# KiCad board k30-SBC.kicad_pcb (continued)
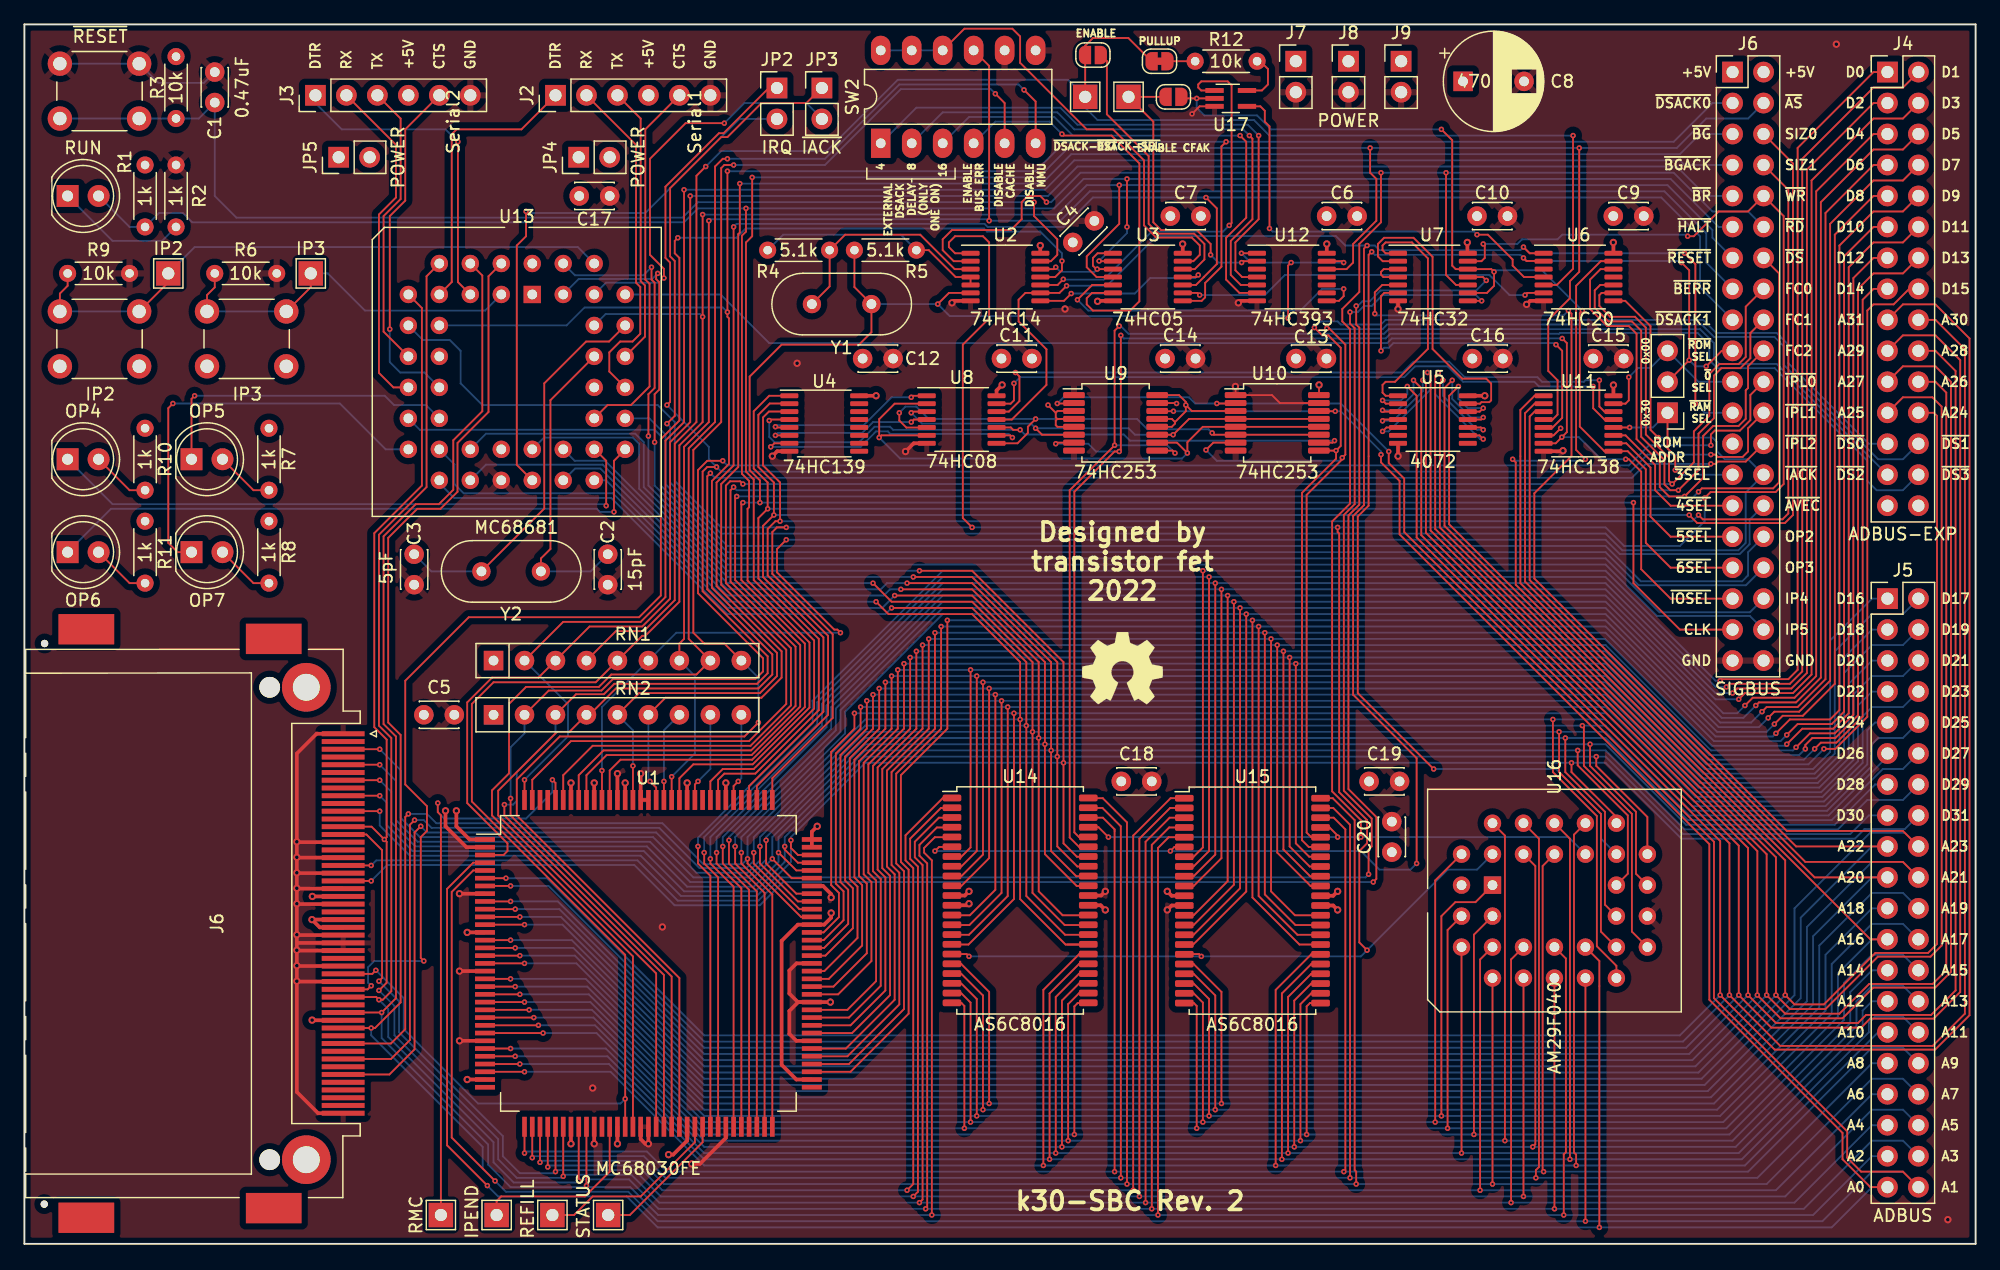
[diagram p0: board, top side]
## Routing (per net, layer and track width the routed paths; a pad name or vN(x,y) marks a point on that pad's centre or on a via; arc(x,y) is an arc through that point) (continued)
D20: length 139.3
  Top w0.15: 76.06,26.94 77.53,26.94 79.62,29.03 v2(79.62,45.04) ; U1.84 65.69,23.64 67.93,25.88 67.93,29.16 67.3,29.8 67.3,39.96 69.58,42.24 v2(69.58,45.04)
  Bottom w0.15: J5.5 151.5,47.83 149.59,45.92 149.59,39.83 147.18,37.42 137.28,37.42 129.66,45.04 v2(69.58,45.04)
D21: length 141.1
  Top w0.15: 76.06,26.14 77.49,26.14 80.13,28.78 v2(80.13,44.53) ; v2(69.08,44.53) 69.08,42.24 66.92,40.08 66.92,29.67 67.55,29.03 67.55,26.24 65.58,24.27 U1.85
  Bottom w0.15: J5.6 154.04,46.56 151.5,46.56 149.98,45.04 149.98,39.68 147.33,37.03 137.15,37.03 129.66,44.53 v2(69.08,44.53)
D22: length 136.8
  Top w0.15: 76.06,25.34 77.45,25.34 80.63,28.53 v2(80.63,44.02) ; v2(68.57,44.02) 68.57,42.24 66.54,40.21 66.54,29.54 67.17,28.91 67.17,26.54 65.54,24.91 U1.86
  Bottom w0.15: v2(68.57,44.02) 129.66,44.02 137.02,36.65 147.44,36.65 150.36,39.58 150.36,44.15 151.5,45.29 J5.7
D23: length 138.6
  Top w0.15: 76.06,24.55 77.42,24.55 81.14,28.27 v2(81.14,43.51) ; v2(68.06,43.51) 68.06,42.24 66.16,40.34 66.16,29.42 66.79,28.78 66.79,26.79 65.54,25.54 U1.87
  Bottom w0.15: v2(68.06,43.51) 129.66,43.51 136.9,36.27 147.56,36.27 150.74,39.45 150.74,43.26 151.5,44.02 154.04,44.02 J5.8
D24: length 259.9
  Top w0.15: U16.13 130.54,22.8 128.94,24.4 128.94,35.08 125.34,38.69 v2(125.34,43) ; 85.5,24.55 87.24,24.55 85.38,24.55 81.65,28.27 v2(81.65,43) 81.65,47.7 77.71,51.64 70.86,51.64 v2(69.84,52.66) ; J1.21 30.06,16.43 31.23,17.6 31.23,35 v2(31.48,35.26) ; v2(59.3,31.57) 59.3,31.19 63.68,26.81 U1.89
  Bottom w0.15: v2(31.48,35.26) 33.01,35.26 33.77,34.5 52.31,34.5 55.68,31.12 58.85,31.12 v2(59.3,31.57) 59.3,33.35 68.95,43 129.66,43 136.77,35.89 147.69,35.89 151.12,39.32 151.12,42.11 151.75,42.75 J5.9 ; v2(69.84,52.66) 57.65,52.66 47.69,62.61 U13.28
D25: length 270.2
  Top w0.15: 87.24,25.34 85.34,25.34 82.16,28.53 v2(82.16,42.5) 82.16,47.7 77.71,52.15 v2(71.11,52.15) ; v2(31.99,34.75) 31.61,34.37 31.61,16.72 30.06,15.16 J1.22 ; U16.14 131.81,25.61 131.81,35.26 127.88,39.19 127.88,42.37 v2(127.75,42.5) ; v2(59.81,32.08) 59.81,31.19 63.55,27.44 U1.90
  Bottom w0.15: v2(31.99,34.75) 32.75,34.75 33.39,34.11 52.06,34.11 55.36,30.81 59.2,30.81 59.81,31.42 v2(59.81,32.08) 59.81,33.35 68.95,42.5 v2(127.75,42.5) 129.66,42.5 136.64,35.51 147.82,35.51 151.5,39.19 151.5,40.97 152.01,41.48 154.04,41.48 J5.10 ; v2(71.11,52.15) 70.6,51.64 57.65,51.64 48.12,61.17 35.24,61.17 34.03,62.38 U13.18
D26: length 254.9
  Top w0.15: U16.15 129.28,25.61 129.28,35.26 125.85,38.69 v2(125.85,41.99) ; 87.24,26.14 85.3,26.14 82.67,28.78 v2(82.67,41.99) 82.67,47.7 77.71,52.66 71.11,52.66 v2(69.58,54.18) ; v2(32.5,34.24) 31.99,33.73 31.99,15.95 29.93,13.89 J1.23 ; v2(60.31,32.59) 60.31,31.19 63.43,28.08 U1.91
  Bottom w0.15: v2(32.5,34.24) 33.01,33.73 51.81,33.73 55.11,30.43 59.3,30.43 60.31,31.45 v2(60.31,32.59) 60.31,33.35 68.95,41.99 129.66,41.99 136.51,35.13 147.94,35.13 152.77,39.96 J5.11 ; U13.27 45.12,64.21 47.61,64.21 57.65,54.18 v2(69.58,54.18)
D27: length 251.5
  Top w0.15: U16.17 129.61,27.81 129.61,35.43 126.35,38.69 v2(126.35,41.48) ; 87.24,26.94 85.14,26.94 83.17,28.91 v2(83.17,41.48) 83.17,47.7 77.71,53.16 v2(71.36,53.16) ; J1.2 v2(29.14,40.56) ; U1.92 63.3,28.72 60.82,31.19 v2(60.82,33.1)
  Bottom w0.15: v2(71.36,53.16) 70.35,52.15 57.65,52.15 48.25,61.55 36.03,61.55 35.26,62.31 35.26,63.91 U13.19 ; J5.12 154.04,38.94 152.39,38.94 148.2,34.75 136.39,34.75 129.66,41.48 68.95,41.48 60.82,33.35 v2(60.82,33.1) 60.82,31.51 59.36,30.05 54.85,30.05 51.55,33.35 32.44,33.35 30.85,34.94 30.85,38.85 v2(29.14,40.56)
D28: length 227
  Top w0.15: U16.18 132.15,30.35 132.15,35.43 128.39,39.19 v2(128.39,40.97) ; 87.24,29.34 86.29,29.34 83.68,31.95 v2(83.68,40.97) 83.68,47.7 77.71,53.67 v2(71.87,53.67) ; J1.3 v2(29.14,39.29) ; v2(61.33,31.57) 62.92,29.98 U1.94
  Bottom w0.15: J5.13 151.75,37.67 148.45,34.37 136.26,34.37 129.66,40.97 68.95,40.97 61.33,33.35 v2(61.33,31.57) 59.42,29.67 54.6,29.67 51.3,32.97 32.25,32.97 30.47,34.75 30.47,37.96 29.15,39.27 ; U13.26 45.15,63.58 47.23,63.58 57.65,53.16 70.47,53.16 70.98,53.67 v2(71.87,53.67)
D29: length 235.4
  Top w0.15: U16.19 131.48,30.35 131.48,35.13 127.37,39.24 v2(127.37,40.46) ; 87.24,30.14 86.25,30.14 84.19,32.21 v2(84.19,40.46) 84.19,47.7 77.71,54.18 v2(72.38,54.18) ; J1.4 v2(29.14,38.02) ; v2(61.84,32.08) 63.3,30.62 U1.95
  Bottom w0.15: J5.14 154.04,36.4 151.12,36.4 148.71,33.99 136.13,33.99 129.66,40.46 68.95,40.46 61.84,33.35 v2(61.84,32.08) 61.84,31.32 59.81,29.29 54.34,29.29 51.04,32.59 32.06,32.59 30.09,34.56 30.09,37.07 29.15,38 ; U13.20 37.85,63.9 47.42,63.9 57.65,53.67 70.22,53.67 70.73,54.18 v2(72.38,54.18)
D30: length 224.2
  Top w0.15: U16.20 133.09,35 128.89,39.19 v2(128.89,39.96) ; 87.24,30.94 86.34,30.94 84.7,32.59 v2(84.7,39.96) 84.7,47.7 77.71,54.69 v2(72.89,54.69) ; J1.5 v2(29.14,36.75) ; v2(62.35,32.59) 62.35,32.34 63.43,31.25 U1.96
  Bottom w0.15: U13.25 42.61,66.12 49.9,66.12 50.41,65.61 50.41,61.93 57.65,54.69 v2(72.89,54.69) ; J5.15 151.25,35.13 149.72,33.61 136.01,33.61 129.66,39.96 68.95,39.96 62.35,33.35 v2(62.35,32.59) 62.35,31.32 59.93,28.91 54.09,28.91 50.79,32.21 31.83,32.21 29.69,34.35 29.69,36.19 29.15,36.73
D31: length 227.3
  Top w0.15: U16.21 130.54,35 126.86,38.69 v2(126.86,39.45) ; 87.24,31.75 86.31,31.75 85.21,32.84 v2(85.21,39.45) 85.21,47.7 77.71,55.2 v2(73.39,55.2) ; J1.6 v2(29.14,35.48) ; v2(62.85,33.1) 62.85,32.46 63.43,31.89 U1.97
  Bottom w0.15: v2(29.14,35.48) 29.14,34.3 31.61,31.83 50.53,31.83 53.84,28.53 60.06,28.53 62.85,31.32 v2(62.85,33.1) 62.85,33.35 68.95,39.45 129.66,39.45 135.88,33.22 150.1,33.22 150.89,34.01 154.19,34.01 J5.16 ; U13.21 37.85,66.44 50.09,66.44 50.79,65.74 50.79,62.05 57.65,55.2 v2(73.39,55.2)
FC0: length 161.6
  Top w0.15: U1.127 44.19,38.43 46.6,40.84 59.55,40.84 62.85,44.15 62.85,48.85 57.52,54.18 57.52,62.18 57.87,62.53 58.69,62.53 v2(58.92,62.31) ; 130.3,77.98 129.33,77.98 129.15,77.8 129.15,76.91 130.04,76.02 132.07,76.02 132.96,75.13 132.96,66.37 134.86,64.47 134.86,62.56 v2(135.12,62.31) 136.9,64.09 136.9,66.63 138.16,67.9 138.16,71.33 138.99,72.15 140.57,72.15 141.15,72.73 141.15,76.85 J6.16
  Bottom w0.15: v2(58.92,62.31) v2(135.12,62.31)
FC1: length 160.2
  Top w0.15: U1.125 45.45,38.43 47.49,40.46 59.59,40.46 63.23,44.11 63.23,48.97 57.9,54.31 57.9,61.8 v2(58.16,62.05) ; 130.3,78.63 129.22,78.63 128.77,78.18 128.77,76.76 129.89,75.64 131.81,75.64 132.58,74.88 132.58,66.18 134.48,64.28 134.48,62.28 134.96,61.8 v2(135.62,61.8) 137.28,63.45 137.28,66.44 138.55,67.71 138.55,71.2 139.16,71.81 140.71,71.81 141.53,72.63 141.53,74.69 J6.18
  Bottom w0.15: v2(58.16,62.05) 58.41,61.8 v2(135.62,61.8)
FC2: length 160
  Top w0.15: 130.3,79.93 129.25,79.93 128.39,79.07 128.39,76.66 129.78,75.26 131.56,75.26 132.2,74.63 132.2,65.99 134.1,64.09 134.1,62.05 134.86,61.29 v2(136.13,61.29) 137.66,62.82 137.66,66.25 138.48,67.07 140.56,67.07 141.15,67.66 141.15,69.99 141.34,70.18 141.34,71.96 J6.20 ; v2(58.41,61.29) 58.28,61.17 58.28,54.43 63.62,49.1 63.62,44.06 59.64,40.08 47.74,40.08 46.09,38.43 U1.124
  Bottom w0.15: v2(58.41,61.29) v2(136.13,61.29)
IP4: length 121.9
  Top w0.15: v2(51.68,65.74) 51.68,69.67 52.06,70.06 52.06,78.86 51.81,79.12 51.81,79.45 v2(51.93,79.58)
  Bottom w0.15: J6.36 141.49,51.79 134.08,51.79 129.66,56.21 57.65,56.21 51.68,62.18 v2(51.68,65.74) ; U13.43 45.46,79.12 51.47,79.12 v2(51.93,79.58)
IP5: length 122.5
  Top w0.15: v2(51.42,80.09) 51.42,79.07 51.68,78.82 51.68,70.18 51.17,69.67 v2(51.17,66.25)
  Bottom w0.15: v2(51.17,66.25) 51.17,62.18 57.65,55.7 129.66,55.7 133.87,51.49 141.49,51.49 J6.38 ; v2(51.42,80.09) 50.76,79.43 45.15,79.43 U13.42
OP2: length 103.9
  Bottom w0.15: U13.31 51.25,67.69 52.57,66.37 52.57,62.31 57.65,57.23 129.66,57.23 132.55,54.33 140.86,54.33 141.34,54.81 141.34,56.72 J6.32
OP3: length 119.8
  Bottom w0.15: U13.15 32.42,66.76 51.68,66.76 52.19,66.25 52.19,62.18 57.65,56.72 129.66,56.72 132.37,54.01 141.17,54.01 J6.34
SIZ0: length 156.3
  Top w0.15: 62.71,68.91 61.12,68.91 60.19,67.98 60.19,63.7 61.46,62.44 v2(61.46,59.77) 60.57,58.88 60.57,54.69 65.52,49.73 65.52,43.64 59.42,37.54 U1.103 ; v2(136.51,59.77) 137.17,59.11 144.36,59.11 145.02,59.77 145.02,88.6 J6.6
  Bottom w0.15: v2(61.46,59.77) v2(136.51,59.77)
SIZ1: length 152.1
  Top w0.15: U4.3 62.72,68.25 61.05,68.25 60.57,67.77 60.57,63.83 61.97,62.44 v2(61.97,59.26) 61.58,59.26 60.95,58.62 60.95,54.81 65.9,49.86 65.9,43.39 60.06,37.54 U1.102 ; J6.8 144.64,86.44 144.64,59.89 144.16,59.41 137.63,59.41 v2(137.28,59.77)
  Bottom w0.15: v2(137.28,59.77) 136.77,59.26 v2(61.97,59.26)
~{0SEL}: length 13.7
  Top w0.15: 130.3,68.9 131.29,68.9 131.56,69.17 v2(131.56,71.07)
  Bottom w0.15: J6.21 137.28,70.69 JP1.3 133.34,71.83 132.32,71.83 v2(131.56,71.07)
~{3SEL}: length 14.8
  Top w0.15: v2(135.37,63.45) 135.37,64.59 134.74,65.23 JP1.1 ; 130.3,66.95 v2(131.63,66.95)
  Bottom w0.15: v2(131.63,66.95) 133.53,66.95 JP1.1 ; v2(135.37,63.45) 135.75,63.07 J6.27
~{4SEL}: length 13.4
  Top w0.15: J6.29 134.99,60.53 133.72,61.8 133.72,63.88 131.3,66.3 130.3,66.3
~{5SEL}: length 15.3
  Top w0.15: J6.31 134.99,57.99 133.34,59.64 133.34,63.66 131.36,65.65 130.3,65.65
~{6SEL}: length 82.2
  Top w0.15: U17.2 95,93.93 94.87,94.06 ; 118.33,77.98 119.93,77.98 120.51,78.56 v2(120.51,79.71) 120.29,79.93 U7.12 117.37,79.93 117.08,80.22 117.08,90.5 v2(116.19,91.39) ; J6.33 134.99,55.45 132.96,57.48 132.96,63.51 131.48,65 129.56,65 127.54,67.02 127.54,76.32 v2(127.75,76.53)
  Bottom w0.15: v2(96.13,93.93) 96.13,93.17 96.76,92.53 101.08,92.53 102.22,91.39 v2(116.19,91.39) ; v2(120.51,79.71) 120.64,79.83 124.45,79.83 v2(127.75,76.53)
~{AS}: length 181.4
  Top w0.15: v2(110.35,89.87) 110.35,87.84 110.86,87.33 110.86,83.9 108.96,81.99 108.96,80.47 108.42,79.93 U12.12 ; 124.58,67.6 125.31,67.6 125.72,68 125.72,70.82 124.96,71.58 124.96,75.77 126.74,77.55 126.74,78.94 127.5,79.71 v2(127.5,89.87) ; v2(59.68,87.45) 59.68,82.63 59.17,82.12 59.17,63.32 59.81,62.69 59.81,54.43 64.76,49.48 64.76,43.89 59.81,38.94 57.27,38.94 56.25,37.92 U1.108
  Bottom w0.15: J6.4 141.34,92.28 137.91,92.28 135.5,89.87 v2(110.35,89.87) 85.59,89.87 83.17,87.45 v2(59.68,87.45)
~{ATA-DSACK}: length 35.9
  Top w0.15: v2(119.12,82.75) 120,82.75 122.04,80.72 122.04,80.22 122.97,79.28 U6.4 ; U17.4 101.35,93.28 101.72,92.91 101.72,92.03 102.1,91.65 v2(102.1,83.26)
  Bottom w0.15: v2(102.1,83.26) 102.35,83.01 118.86,83.01 v2(119.12,82.75)
~{AVEC}: length 123.4
  Top w0.15: U1.122 v2(47.36,38.81) ; v2(62.47,57.74) 61.71,56.97 61.71,55.07 66.41,50.37 66.66,50.37 v2(66.92,50.12)
  Bottom w0.15: v2(47.36,38.81) 47.36,44.02 RN1.6 53.46,50.12 v2(66.92,50.12) ; v2(62.47,57.74) 129.66,57.74 130.82,56.57 140.66,56.57 141.47,57.37 141.47,59.39 J6.30
~{BERR}: length 154.1
  Top w0.15: SW2.9 79.11,96.6 v2(79.11,83.9) ; U1.113 v2(53.08,38.31) ; v2(56.12,83.9) 56.12,67.39 54.09,65.36 54.09,49.61 53.71,49.23 RN1.7
  Bottom w0.15: v2(56.12,83.9) 56.25,84.03 78.98,84.03 v2(79.11,83.9) 84.95,83.9 87.36,86.31 134.48,86.31 137.91,82.88 137.91,80.47 J6.15 ; RN1.7 54.98,46.56 54.98,40.21 v2(53.08,38.31)
~{BGACK}: length 149.3
  Top w0.15: v2(54.09,86.44) 54.09,67.39 52.57,65.86 52.57,53.04 50.53,51 44.19,51 RN1.2 ; U1.132 v2(41.01,38.05)
  Bottom w0.15: v2(54.09,86.44) 83.68,86.44 86.09,88.85 135.75,88.85 136.13,88.47 J6.7 ; v2(41.01,38.05) 44.58,41.62 44.58,44.26 RN1.2
~{BG}: length 153.7
  Top w0.15: v2(58.66,86.95) 58.66,82.93 58.54,82.8 58.54,63.7 57.14,62.31 57.14,54.05 62.47,48.72 62.47,44.27 59.42,41.23 44.82,41.23 41.64,38.05 U1.131
  Bottom w0.15: v2(58.66,86.95) 83.43,86.95 85.84,89.36 135.75,89.36 137.4,91.01 J6.5
~{BR}: length 156.9
  Top w0.15: U1.3 39.29,31.89 39.61,32.21 39.61,32.84 36.31,36.15 36.31,44.4 38.34,46.43 42.15,46.43 RN1.3 46.34,50.62 50.66,50.62 52.95,52.91 52.95,65.74 54.6,67.39 v2(54.6,85.93)
  Bottom w0.15: J6.9 137.91,85.93 135.5,88.34 86.35,88.34 83.94,85.93 v2(54.6,85.93)
~{CDIS}: length 135
  Top w0.15: v2(79.62,94.31) 80.38,93.55 SW2.5 ; v2(58.16,88.47) 57.39,88.47 57.14,88.22 57.14,67.39 54.85,65.1 54.85,50.12 55.74,49.23 57.39,49.23 RN1.9 ; v2(60.19,42.75) 59.04,41.61 43.9,41.61 40.38,38.08 40.38,35.13 53.71,21.8 U1.54
  Bottom w0.15: v2(60.19,42.75) 60.19,46.43 RN1.9 ; v2(79.62,94.31) 79.24,94.69 71.87,94.69 65.65,88.47 v2(58.16,88.47)
~{DS0}: length 100.3
  Top w0.15: U10.9 v2(107.56,65.05) ; v2(107.56,65.05) 107.94,65.43 107.94,73.48 106.92,74.5 106.41,74.5 v2(105.78,75.13) ; v2(107.56,65.05) 107.56,64.38 104.76,61.59 104.76,33.1 105.32,32.55 U15.39
  Bottom w0.15: J4.25 151.25,65.61 144.64,72.21 144.64,73.74 143.69,74.69 138.73,74.69 137.66,75.77 111.62,75.77 111.24,75.39 107.94,75.39 107.69,75.64 106.29,75.64 v2(105.78,75.13)
~{DS1}: length 113.7
  Top w0.15: U15.40 105.53,33.34 105.15,33.72 105.15,61.42 108.07,64.34 v2(108.07,64.47) 108.32,64.72 108.32,73.74 106.98,75.08 v2(106.8,75.08) ; v2(96.89,65.1) 97.49,65.7 U10.7
  Bottom w0.15: v2(106.8,75.08) 106.86,75.01 111.37,75.01 111.75,75.39 137.53,75.39 138.55,74.37 143.5,74.37 144.26,73.61 144.26,72.09 152.01,64.34 154.04,64.34 J4.26 ; v2(108.07,64.47) 107.81,64.21 97.78,64.21 v2(96.89,65.1)
~{DS2}: length 121.3
  Top w0.15: v2(89.78,75.26) 89.4,74.88 v2(89.4,65.48) 85.71,61.8 85.71,33.32 86.47,32.56 87.24,32.56 ; v2(94.35,64.85) 94.15,65.05 U9.9
  Bottom w0.15: v2(94.35,64.85) 93.72,65.48 v2(89.4,65.48) ; v2(89.78,75.26) 89.91,75.26 90.54,74.63 111.5,74.63 111.88,75.01 137.4,75.01 138.55,73.86 138.55,72.59 138.99,72.15 143.69,72.15 J4.27
~{DS3}: length 124.1
  Top w0.15: v2(84.57,65.61) 84.66,65.7 U9.7 ; v2(89.91,74.5) 89.91,65.1 v2(89.78,64.97) 89.4,64.97 86.09,61.67 86.09,33.74 86.47,33.36 87.24,33.36
  Bottom w0.15: v2(89.91,74.5) 90.16,74.25 111.62,74.25 112,74.63 125.84,74.63 125.91,74.7 137.21,74.7 138.16,73.74 138.16,72.47 138.83,71.81 143.52,71.81 151.12,64.21 151.12,62.56 151.88,61.8 154.04,61.8 J4.28 ; v2(89.78,64.97) 87.87,64.97 87.24,65.61 v2(84.57,65.61)
~{DSACK0}: length 190.7
  Top w0.15: 94.99,77.33 96.54,77.33 96.82,77.62 96.82,78.8 98.16,80.13 98.16,89.99 v2(98.54,90.38) ; U1.118 v2(49.9,39.19) ; v2(57.65,87.96) v2(57.65,76.41) 57.65,76.02 57.77,75.9 57.77,63.96 56.38,62.56 56.38,53.8 61.71,48.47 61.71,46.56 60.31,45.16 50.41,45.16 RN2.5
  Bottom w0.15: 45.96,76.79 57.27,76.79 v2(57.65,76.41) ; 45.93,76.79 44.46,75.31 U13.10 ; v2(49.9,39.19) 49.9,42.11 RN2.5 ; v2(57.65,87.96) 82.92,87.96 85.33,90.38 135.24,90.38 138.42,93.55 J6.3
~{DSACK1}: length 158.2
  Top w0.15: v2(96.89,85.8) 97.78,84.91 97.78,80.35 96.71,79.27 96.71,79.27 96.07,78.63 U3.10 ; v2(58.16,83.39) 58.16,63.83 56.76,62.44 56.76,53.93 62.09,48.59 62.09,46.43 60.44,44.78 52.57,44.78 RN2.6 ; v2(51.3,37.92) 51.81,37.42 U1.115
  Bottom w0.15: J6.17 137.4,78.44 137.4,82.63 134.23,85.8 87.62,85.8 85.21,83.39 78.98,83.39 78.73,83.64 58.41,83.64 v2(58.16,83.39) ; v2(51.3,37.92) 51.17,38.05 RN2.6
~{DSACK-EXT}: length 147
  Top w0.15: RN1.4 48.5,50.24 50.79,50.24 53.33,52.78 53.33,65.61 55.11,67.39 55.11,87.58 v2(55.87,88.34) ; v2(126.99,90.88) 126.99,79.96 125.66,78.63 U6.5 ; TP4.1 86.98,98.25 87.62,98.88 90.53,98.88 JP7.1
  Bottom w0.15: v2(55.87,88.34) 57.14,89.61 65.78,89.61 71.62,95.45 85.59,95.45 TP4.1 86.98,93.17 88,92.15 100.83,92.15 102.1,90.88 v2(126.99,90.88)
~{DS}: length 145.8
  Top w0.15: U4.1 61.08,69.55 59.81,68.28 59.81,63.58 60.95,62.44 v2(60.95,60.28) 60.19,59.51 60.19,54.56 65.14,49.61 65.14,43.77 59.93,38.56 57.39,38.56 56.89,38.05 U1.107 ; J6.14 143.88,79.58 143.88,62.44 143.4,61.95 137.56,61.95 v2(137.28,61.67)
  Bottom w0.15: v2(137.28,61.67) 135.88,60.28 v2(60.95,60.28)
~{HALT}: length 206.1
  Top w0.15: v2(90.41,83.39) v2(90.41,87.33) ; U3.2 88.14,80.58 v2(88.13,80.6) ; U1.112 53.71,38.18 54.85,39.32 59.72,39.32 64.38,43.98 64.38,49.31 59.3,54.39 59.3,60.28 59.42,60.4 59.42,62.56 58.84,63.15 58.84,82.67 59.17,83.01 v2(59.17,84.91)
  Bottom w0.15: J6.11 138.93,83.39 134.99,87.33 86.86,87.33 84.44,84.91 55.23,84.91 54.09,83.77 13.76,83.77 12.99,84.53 11.04,84.53 R1.1 8.62,83.39 D1.2 ; v2(90.41,83.39) 90.41,82.88 v2(88.13,80.6)
~{IACK}: length 161.1
  Top w0.15: JP3.1 65.36,94.78 64.12,93.55 60.44,93.55 57.65,90.76 57.14,90.76 52.95,86.56 52.95,80.98 53.33,80.6 53.33,67.9 v2(52.69,67.26) ; v2(133.97,66.12) 133.34,66.75 133.34,75.26 131.27,77.33 130.3,77.33
  Bottom w0.15: v2(133.97,66.12) 138.42,66.12 138.8,65.74 138.8,64.97 139.44,64.34 141.34,64.34 J6.28 141.15,61.61 141.15,57.47 140.54,56.87 131.03,56.87 129.66,58.24 57.14,58.24 52.95,62.44 52.95,67.01 v2(52.69,67.26)
~{IORD}: length 147
  Top w0.15: J1.34 v2(28.44,31.03) ; 118.33,77.33 v2(119.5,77.33) ; v2(110.22,30.3) 110.22,32.34 110.48,32.59 110.48,34.88 108.19,37.16 108.19,59.77 109.08,60.66 109.08,75.09 108.7,75.47 v2(108.7,76.41)
  Bottom w0.15: v2(108.7,76.41) 109.34,76.41 109.84,76.91 110.48,76.91 111.37,77.8 119.03,77.8 v2(119.5,77.33) ; 30.12,31.45 50.27,31.45 53.57,28.14 60.19,28.14 62.09,30.05 109.97,30.05 v2(110.22,30.3) ; v2(28.44,31.03) 28.85,31.45 30.22,31.45
~{IOSEL}: length 112.9
  Top w0.15: J6.35 134.99,52.91 132.58,55.32 132.58,63.32 131.56,64.34 v2(131.31,64.34) ; v2(126.1,74.25) 126.48,73.86 126.48,66.56 v2(126.07,66.15) 125.57,65.65 U11.7
  Bottom w0.15: v2(126.1,74.25) 112.13,74.25 111.75,73.86 61.08,73.86 57.09,77.85 U13.39 ; v2(131.31,64.34) 129.28,64.34 127.47,66.15 v2(126.07,66.15)
~{IOWR}: length 149.2
  Top w0.15: J1.35 v2(28.44,29.76) ; U7.11 119.6,79.28 v2(119.88,79) ; v2(109.21,76.91) 109.21,75.39 109.46,75.13 109.46,60.62 108.57,59.73 108.57,37.29 110.86,35 110.86,29.92 v2(110.61,29.67)
  Bottom w0.15: v2(119.88,79) 119.06,78.18 111.2,78.18 110.31,77.29 109.72,77.29 109.34,76.91 v2(109.21,76.91) ; v2(110.61,29.67) 62.22,29.67 60.31,27.76 53.32,27.76 50.01,31.07 31.01,31.07 ; 31.1,31.07 29.74,31.07 v2(28.44,29.76)
~{IPL0}: length 171.9
  Top w0.15: v2(138.29,65.48) 138.29,66.37 138.61,66.69 140.67,66.69 141.53,67.55 141.53,69.61 J6.22 ; U1.53 53.08,21.92 39.87,35.13 v2(39.87,36.53) ; RN2.2 43,45.37 47.31,45.37 48.25,46.31 59.93,46.31 60.57,46.94 60.57,48.02 55.23,53.35 55.23,63.45 56,64.21 v2(57.27,64.21)
  Bottom w0.15: RN2.2 41.01,41.86 39.87,40.72 v2(39.87,36.53) ; v2(138.29,65.48) 133.21,65.48 131.56,63.83 57.65,63.83 v2(57.27,64.21)
~{IPL1}: length 206.9
  Top w0.15: v2(52.69,68.78) 52.95,69.04 52.95,80.47 52.57,80.85 52.57,86.69 56.95,91.07 57.33,91.07 61.04,94.78 JP2.1 ; v2(56.76,63.7) 56,63.7 55.61,63.32 55.61,53.51 60.95,48.18 60.95,46.79 60.08,45.92 48.38,45.92 47.52,45.07 45.24,45.07 RN2.3 ; J6.24 141.34,66.88 141.34,64.97 140.9,64.53 138.86,64.53 138.67,64.72 v2(138.29,64.72) ; v2(39.36,36.02) 39.36,35.13 52.44,22.05 U1.52
  Bottom w0.15: RN2.3 43.55,41.86 40.38,38.69 40.38,36.32 40.07,36.02 v2(39.36,36.02) ; v2(138.29,64.72) 133.09,64.72 131.69,63.32 57.14,63.32 v2(56.76,63.7) 56.12,64.34 56.12,65.36 v2(52.69,68.78)
~{IPL2}: length 165.9
  Top w0.15: U1.51 51.81,22.18 38.85,35.13 38.85,37.16 43.68,41.99 44.69,41.99 RN2.4 46.34,43.39 48.5,45.54 60.19,45.54 61.33,46.69 61.33,48.34 56,53.67 56,62.94 v2(56.25,63.2) ; J6.26 141.15,64.15 138.86,64.15 138.67,63.96 v2(138.29,63.96)
  Bottom w0.15: v2(138.29,63.96) 132.96,63.96 131.81,62.82 56.63,62.82 v2(56.25,63.2)
~{MMUDIS}: length 133.3
  Top w0.15: v2(81.97,94.63) 82.92,93.68 SW2.6 ; U1.48 49.9,23.57 38.34,35.13 38.34,37.18 39.74,38.58 39.74,44.27 41.14,45.67 47.11,45.67 48.12,46.69 55.11,46.69 RN1.8 54.47,49.61 54.47,65.23 56.63,67.39 56.63,88.34 57.27,88.98 v2(57.65,88.98)
  Bottom w0.15: v2(81.97,94.63) 81.52,95.07 71.74,95.07 65.65,88.98 v2(57.65,88.98)
~{RAMSEL}: length 185.1
  Top w0.15: v2(122.93,81.74) 123.43,81.23 U6.1 ; v2(93.97,32.21) 94.31,32.55 U15.6 ; v2(74.67,32.21) 75,32.55 76.06,32.55 ; v2(85.46,78.56) 84.88,77.98 U2.9 82.08,77.98 81.52,77.42 81.52,75.64 83.81,73.36 83.81,70.44 80.97,67.6 U8.11 ; v2(136.13,81.23) 137.02,80.34 v2(137.02,68.91) ; v2(110.1,81.87) 109.84,81.61 109.84,60.57 108.96,59.68 108.96,45.04 114.16,39.83 v2(114.16,31.19)
  Bottom w0.15: v2(114.16,31.19) 113.65,30.69 111.11,30.69 109.59,32.21 v2(93.97,32.21) v2(74.67,32.21) ; v2(137.02,68.91) 137.78,68.15 J6.23 ; v2(85.46,78.56) 88.76,78.56 92.84,82.65 107.54,82.65 108.32,81.87 110.73,81.87 111.11,81.48 122.67,81.48 v2(122.93,81.74) 123.43,81.23 v2(136.13,81.23)
~{RD}: length 187.8
  Top w0.15: U15.41 107.02,34.14 107.69,33.48 v2(107.69,33.35) ; 118.33,78.63 117.4,78.63 116.57,79.45 v2(116.57,87.84) ; v2(88.89,33.35) 88.08,34.16 87.24,34.16 ; v2(109.59,33.35) 109.59,34.75 107.24,37.1 107.24,59.24 108.7,60.7 108.7,75.01 108.07,75.64 108.07,76.66 109.46,78.06 109.46,81.99 111.24,83.77 v2(111.24,87.84) ; v2(83.81,85.42) 83.3,85.93 82.28,85.93 81.78,85.42 81.78,84.03 80.89,83.14 76.06,83.14 75.3,82.37 75.3,81.48 76.2,80.58 U2.2
  Bottom w0.15: J6.12 141.34,84.66 138.42,84.66 135.24,87.84 86.6,87.84 84.19,85.42 v2(83.81,85.42) ; v2(88.89,33.35) v2(107.69,33.35) 126.61,33.35 U16.24
~{RESET}: length 230.3
  Top w0.15: v2(89.78,86.82) 89.78,83.64 87.11,80.98 87.11,80.09 87.92,79.28 U3.4 ; J1.41 28.53,22.14 v2(28.82,22.43) ; v2(55.61,84.41) v2(55.61,76.02) 55.61,67.39 53.71,65.48 53.71,52.66 50.92,49.86 50.66,49.86 RN1.5 46.85,46.05 38.47,46.05 36.69,44.27 36.69,36.27 49.27,23.7 U1.47
  Bottom w0.15: v2(28.82,22.43) 28.82,22.43 31.1,20.15 31.1,17.6 37.2,11.51 48.88,11.51 v2(49.27,11.89) ; U13.38 47.66,76.25 55.39,76.25 v2(55.61,76.02) ; J6.13 138.42,82.5 138.42,83.14 134.74,86.82 87.11,86.82 84.7,84.41 v2(55.61,84.41)
~{ROMSEL}: length 107.1
  Top w0.15: v2(122.93,80.85) 123.18,80.6 124.56,80.6 U6.2 ; v2(110.48,81.36) 110.22,81.1 110.22,64.6 ; v2(135.88,80.47) 136.51,79.83 v2(136.51,72.47) JP1.2 ; 110.22,64.59 110.22,60.53 109.34,59.64 109.34,45.16 v2(115.56,38.94) ; v2(137.91,71.96) 139.18,73.23 J6.19
  Bottom w0.15: U16.22 129.28,33.22 129.28,35.26 125.59,38.94 v2(115.56,38.94) ; v2(135.88,80.47) 135.75,80.6 123.18,80.6 v2(122.93,80.85) 122.67,81.1 110.73,81.1 v2(110.48,81.36) ; v2(137.91,71.96) 137.02,71.96 v2(136.51,72.47)
~{SIACK}: length 33.1
  Top w0.15: v2(52.44,79.2) 52.44,79.96 51.3,81.1 51.3,88.98 54.22,91.9 v2(57.39,91.9)
  Bottom w0.15: U13.41 47.69,78.82 52.06,78.82 v2(52.44,79.2) ; v2(57.39,91.9) 59.04,93.55 64.12,93.55 65.39,92.28 JP3.2
~{SIRQ}: length 46.7
  Top w0.15: U13.24 40.38,63.88 40.38,81.87 41.14,82.63 v2(41.14,84.66)
  Bottom w0.15: v2(41.14,84.66) 41.26,84.53 50.92,84.53 58.63,92.24 JP2.2
~{WR}: length 323.2
  Top w0.15: v2(77.46,23.57) 77.27,23.76 76.06,23.76 ; v2(96.51,23.57) 96.32,23.76 95.11,23.76 ; v2(62.47,58.75) 61.71,58.75 61.33,58.37 61.33,54.94 66.28,49.99 66.28,43.13 61.33,38.18 U1.100 ; U2.1 76.32,81.23 75.81,81.74 75.81,82.12 76.32,82.63 78.6,82.63 79.11,82.12 79.11,75.9 76.95,73.74 76.95,59.51 v2(77.71,58.75) ; v2(136.39,82.63) 136.9,82.63 138.93,84.66 141.34,84.66 J6.10 144.26,84.28 144.26,62.31 143.6,61.65 138.27,61.65 v2(137.78,61.17) ; U7.13 119.48,80.58 119.75,80.85 119.75,81.87 v2(119.62,81.99) ; v2(107.69,58.75) 107.69,58.37 107.81,58.24 107.81,37.03 110.1,34.75 110.1,32.84 109.46,32.21 109.46,24.72 v2(110.1,24.08)
  Bottom w0.15: v2(77.46,23.57) v2(96.51,23.57) 109.59,23.57 116.7,30.69 119.12,30.69 U16.31 ; v2(136.39,82.63) 136.26,82.75 126.1,82.75 125.72,82.37 122.8,82.37 122.42,81.99 v2(119.62,81.99) ; U13.9 32.68,74.12 34.88,74.12 35.77,73.23 35.77,70.56 37.55,68.78 51.93,68.78 53.33,67.39 53.33,62.56 57.14,58.75 v2(62.47,58.75) v2(107.69,58.75) 129.66,58.75 131.18,57.23 135.75,57.23 137.78,59.26 v2(137.78,61.17)
Net-(C1-Pad1): length 96.1
  Top w0.15: v2(82.79,85.42) 82.79,84.28 84.7,82.37 84.7,81.1 84.17,80.58 U2.13
  Bottom w0.15: SW1.2 SW1.2 R3.2 14.3,92.28 C1.1 15.61,85.93 17.39,84.15 53.96,84.15 55.23,85.42 v2(82.79,85.42)
Net-(C2-Pad2): length 25.5
  Top w0.15: U13.36 43.14,69.18 43.14,56.98 42.36,56.2 Y2.2
  Bottom w0.15: C2.2 46.43,55.14 Y2.2
Net-(C3-Pad2): length 32.3
  Top w0.15: Y2.1 42.63,60.3 42.63,70.56 46.06,73.99 47.94,73.99 U13.37
  Bottom w0.15: Y2.1 33.37,55.14 C3.2
Net-(D1-Pad1): length 10.9
  Bottom w0.15: R2.2 11.29,82.25 7.23,82.25 D1.1
Net-(D2-Pad1): length 26.1
  Top w0.15: D2.1 13.7,69.29 v2(13.96,69.55)
  Bottom w0.15: v2(13.96,69.55) 29.55,69.55 30.31,68.78 32.93,68.78 U13.16
Net-(D2-Pad2): length 4.9
  Top w0.15: D2.2 18.78,61.8 R7.1
Net-(D3-Pad1): length 34.7
  Top w0.15: D3.1 12.56,56.72 11.8,57.48 11.8,68.53 v2(12.18,68.91)
  Bottom w0.15: v2(12.18,68.91) 25.86,68.91 29.62,65.15 U13.17
Net-(D3-Pad2): length 4.9
  Top w0.15: D3.2 18.78,54.18 R8.1
Net-(D4-Pad1): length 50.8
  Top w0.15: v2(47.71,60.53) 47.71,64.21 46.77,65.15 U13.30
  Bottom w0.15: D4.1 7.23,60.66 47.58,60.66 v2(47.71,60.53)
Net-(D4-Pad2): length 4.9
  Top w0.15: D4.2 8.62,61.8 R10.1
Net-(D5-Pad1): length 51.9
  Top w0.15: v2(48.34,60.02) 48.34,64.21 49.27,65.13 U13.29
  Bottom w0.15: v2(48.34,60.02) 47.2,60.02 46.95,60.28 7.1,60.28 D5.1
Net-(D5-Pad2): length 4.9
  Top w0.15: D5.2 8.62,54.18 R11.1
Net-(J2-Pad1): length 23.4
  Top w0.15: 35.42,91.39 40.76,91.39 J2.1 ; U13.8 35.04,78.87 35.04,90.99 35.44,91.39
Net-(J2-Pad2): length 28
  Top w0.15: J2.2 50.15,90.12 50.15,78.82 50.5,78.47 50.5,74.63 49.87,73.99 48.85,73.99 47.96,73.1 47.96,71.53 U13.33
Net-(J2-Pad3): length 23
  Top w0.15: U13.35 50.88,74.39 50.88,78.6 50.53,78.94 50.53,92.28 J2.3
Net-(J2-Pad4): length 7.1
  In1.Cu w1: JP4.2 49.27,89.1 51.17,91.01 J2.4
Net-(J2-Pad5): length 30.8
  Top w0.15: U13.32 47.82,68.78 49.74,68.78 51.27,70.31 51.27,78.72 50.92,79.07 50.92,91.39 J2.5
Net-(J3-Pad1): length 26.6
  Top w0.15: U13.5 35.55,78.87 v2(35.55,90.38)
  Bottom w0.15: v2(35.55,90.38) 34.53,91.39 26.02,91.39 23.87,93.55 J3.1
Net-(J3-Pad2): length 27.9
  Top w0.15: U13.13 30.26,70.23 29.07,71.42 29.07,84.41 30.47,85.8 30.47,90.12 J3.2
Net-(J3-Pad3): length 23.6
  Top w0.15: U13.11 29.45,74.8 29.45,84.28 30.85,85.68 30.85,92.28 28.94,94.19
Net-(J3-Pad4): length 7.1
  In1.Cu w1: J3.4 31.48,91.01 29.58,89.1 JP5.2
Net-(J3-Pad5): length 28.5
  Top w0.15: J3.5 31.23,91.39 31.23,85.55 29.96,84.28 v2(29.96,75.01)
  Bottom w0.15: v2(29.96,75.01) 29.96,72.31 30.82,71.45 32.81,71.45 U13.14
Net-(JP6-Pad1): length 24.1
  Top w0.15: U3.12 95.97,79.93 96.76,80.72 96.76,81.99 95.92,82.84 93,82.84 92.19,83.64 92.19,89.2 88.76,92.63 88.76,96.99 JP6.1
Net-(JP7-Pad2): length 2.3
  Top w0.15: JP7.2 R12.2
Net-(R4-Pad1): length 19.3
  Top w0.15: R5.2 74.16,81.48 76.36,79.28 U2.4 U2.5
  Bottom w0.15: R5.2 71.87,82.75 62.22,82.75 R4.1
Net-(R4-Pad2): length 18.3
  Top w0.15: Y1.1 66.03,78.52 R4.2 67.3,82.75 73.46,82.75 76.28,79.93 U2.3
Net-(R6-Pad1): length 31.3
  Top w0.15: R6.1 15.61,78.44 14.98,77.8 SW4.1 ; TP5.1 23.48,78.45 21.49,76.46 SW4.1
  Bottom w0.15: SW4.1 SW4.1 ; TP5.1 24.88,79.58 27.93,76.53 37.78,76.53 U13.3
Net-(R9-Pad1): length 50.4
  Top w0.15: SW3.1 2.91,77.93 3.55,78.56 R9.1 ; TP6.1 11.8,78.85 SW3.1
  Bottom w0.15: SW3.1 SW3.1 ; U13.40 45.38,81.74 13.96,81.74 TP6.1
Net-(RN2-Pad7): length 7.5
  Top w0.15: U1.114 v2(52.44,37.92)
  Bottom w0.15: v2(52.44,37.92) 52.44,42.11 RN2.7
Net-(RN2-Pad8): length 7.5
  Top w0.15: v2(55.23,37.92) 54.98,37.67 U1.110
  Bottom w0.15: RN2.8 56.25,38.94 v2(55.23,37.92)
Net-(RN2-Pad9): length 7.2
  Top w0.15: U1.105 58.16,37.54 v2(58.54,37.92)
  Bottom w0.15: v2(58.54,37.92) 58.79,38.18 RN2.9
Net-(SW2-Pad1): length 47
  Top w0.15: v2(101.21,90.88) 101.21,84.03 99.3,82.12 99.3,79.83 99.86,79.28 U12.4
  Bottom w0.15: SW2.1 73.14,93.17 84.95,93.17 86.35,91.77 100.32,91.77 v2(101.21,90.88)
Net-(SW2-Pad2): length 44.3
  Top w0.15: v2(100.45,90.88) 100.7,90.63 100.7,84.03 98.92,82.25 98.92,79.45 99.74,78.63 U12.5
  Bottom w0.15: v2(100.45,90.88) 99.94,91.39 86.09,91.39 84.7,92.79 75.3,92.79 SW2.2
Net-(SW2-Pad3): length 41.6
  Top w0.15: U12.6 99.63,77.98 98.54,79.07 98.54,82.5 100.19,84.15 100.19,90.38 v2(99.68,90.88)
  Bottom w0.15: SW2.3 77.46,92.41 84.44,92.41 85.97,90.88 v2(99.68,90.88)
Net-(SW2-Pad4): length 34.7
  Top w0.15: U3.6 87.54,77.98 87.11,77.55 87.11,77.04 87.62,76.53 90.67,76.53 91.43,77.29 91.43,88.6 89.14,90.88 85.21,90.88 v2(85.08,91.01)
  Bottom w0.15: v2(85.08,91.01) 84.06,92.03 79.62,92.03 SW2.4
Net-(SW2-Pad10): length 41
  Top w0.15: SW2.10 77.08,99.65 81.02,99.65 81.65,99.01 81.65,96.85 87.11,91.39 89.27,91.39 91.81,88.85 91.81,83.52 92.81,82.52 95.73,82.52 96.38,81.87 96.38,81.1 95.86,80.58 U3.13
  Bottom w0.15: SW2.12 SW2.11 SW2.10
Net-(TP1-Pad1): length 15.1
  Top w0.15: TP1.1 38.72,3.51 39.1,3.89 45.96,3.89 48,5.92 U1.45
Net-(TP2-Pad1): length 15.4
  Top w0.15: TP2.1 45.07,2.36 46.6,3.89 50.53,3.89 54.98,8.33 U1.56
Net-(TP3-Pad1): length 11.5
  Top w0.15: U1.57 55.61,8.33 49.65,2.36 TP3.1
Net-(TP7-Pad1): length 47.9
  Top w0.15: v2(43.3,38.05) 43.55,37.8 U1.128 ; v2(33.9,36.15) 33.9,35.4 34.15,35.15 TP7.1
  Bottom w0.15: v2(43.3,38.05) 43.3,37.03 41.14,34.88 34.43,34.88 33.9,35.4 v2(33.9,36.15)
Net-(TP8-Pad1): length 24.6
  Top w0.15: U12.2 99.92,80.58 v2(99.81,80.47) ; v2(97.27,81.1) 97.27,81.99 96.13,83.14 93.21,83.14 92.57,83.77 92.57,92.03 TP8.1 JP8.2
  Bottom w0.15: v2(99.81,80.47) 97.91,80.47 v2(97.27,81.1)
Net-(U2-Pad8): length 15.2
  Top w0.15: v2(96.25,79.45) 96.08,79.28 U3.11 ; v2(85.84,77.93) 85.24,77.33 83.31,77.33
  Bottom w0.15: v2(96.25,79.45) 96,79.2 92.32,79.2 91.05,77.93 v2(85.84,77.93)
Net-(U2-Pad12): length 9.2
  Top w0.15: U3.3 v2(87.97,79.93) 87.9,79.93 87.62,80.21 87.62,80.85 88,81.23 U3.1 ; U2.12 84.41,79.93 v2(84.57,80.09)
  Bottom w0.15: v2(84.57,80.09) 84.95,79.71 87.75,79.71 v2(87.97,79.93)
Net-(U3-Pad9): length 31.1
  Top w0.15: U3.9 96.19,77.98 v2(96.37,77.8) ; U6.6 123.23,77.98 v2(123.05,77.8)
  Bottom w0.15: v2(123.05,77.8) 121.78,77.8 120.33,79.26 120.33,79.26 120.13,79.45 103.37,79.45 101.72,77.8 v2(96.37,77.8)
Net-(U4-Pad5): length 14.6
  Top w0.15: U8.1 72.85,69.55 v2(72.72,69.42) ; v2(61.58,67.01) 61.64,66.95 U4.5
  Bottom w0.15: v2(72.72,69.42) 71.11,69.42 68.82,67.13 61.71,67.13 v2(61.58,67.01)
Net-(U4-Pad6): length 14.1
  Top w0.15: U8.4 72.93,67.6 v2(72.72,67.39) ; 62.73,66.3 v2(61.58,66.3)
  Bottom w0.15: v2(61.58,66.3) 61.79,66.5 68.7,66.5 69.58,67.39 v2(72.72,67.39)
Net-(U4-Pad7): length 23.6
  Top w0.15: U8.9 80.84,66.3 v2(81.02,66.12) ; U4.7 61.49,65.65 v2(61.2,65.36)
  Bottom w0.15: v2(61.2,65.36) 68.57,65.36 69.84,66.63 70.8,66.63 71,66.42 80.72,66.42 v2(81.02,66.12)
Net-(U5-Pad1): length 20.5
  Top w0.15: U7.1 111.62,81.23 111.37,81.48 111.37,81.87 111.62,82.12 113.78,82.12 115.09,80.81 115.09,73.39 112.38,70.69 111.62,70.69 111.37,70.44 111.37,69.8 111.62,69.55 U5.1
Net-(U5-Pad13): length 25.1
  Top w0.15: U5.13 119.35,68.9 119.48,69.02 120.12,69.02 ; 120.13,69.02 120.28,69.17 120.28,70.55 119.88,70.94 117.91,70.94 115.47,73.38 115.47,80.94 113.91,82.5 111.5,82.5 110.99,81.99 110.99,80.98 111.38,80.58 U7.2
Net-(U7-Pad3): length 3.2
  Top w0.15: U7.4 111.44,79.28 111.24,79.48 111.24,79.71 111.47,79.93 U7.3
Net-(U10-Pad10): length 53.9
  Top w0.15: v2(107.43,65.86) 107.27,65.7 U10.10 ; 62.73,67.6 61.16,67.6 v2(61.08,67.52) ; 79.72,66.95 80.89,66.95 81.08,66.75 v2(81.65,66.75)
  Bottom w0.15: v2(107.43,65.86) 90.67,65.86 90.16,66.37 82.03,66.37 v2(81.65,66.75) 71.24,66.75 70.98,67.01 69.71,67.01 68.44,65.74 61.51,65.74 61.08,66.17 v2(61.08,67.52)
Net-(U10-Pad11): length 43
  Top w0.15: v2(71.74,68.15) 71.74,67.52 72.32,66.94 73.98,66.94 73.99,66.95 ; v2(97.4,66.5) 97.55,66.35 U10.6 U10.11 ; 79.72,65.65 81.43,65.65 82.28,66.5 82.28,67.01 v2(82.92,67.64)
  Bottom w0.15: v2(97.4,66.5) 97.1,66.8 92.09,66.8 91.24,67.64 v2(82.92,67.64) 74.16,67.64 73.14,68.66 72.25,68.66 v2(71.74,68.15)
Net-(U10-Pad12): length 51.1
  Top w0.15: U8.6 70.27,66.3 v2(70.09,66.12) 70.09,67.63 71.36,68.9 U8.2 ; U10.12 U10.5 96.63,67 95.37,65.74 v2(95.37,64.85) 94.51,65.7 U9.10
  Bottom w0.15: v2(95.37,64.85) 94.92,64.4 71.81,64.4 v2(70.09,66.12)
Net-(U10-Pad13): length 40.7
  Top w0.15: U8.3 72.82,68.25 v2(72.72,68.15) ; U10.13 U10.4 95.5,67.65 v2(94.2,66.35) U9.11 ; U9.6 83.45,66.35 v2(82.92,66.88)
  Bottom w0.15: v2(94.2,66.35) 91.07,66.35 90.54,66.88 v2(82.92,66.88) 82.54,67.26 73.61,67.26 v2(72.72,68.15)
Net-(U11-Pad5): length 28.7
  Top w0.15: v2(125.59,73.74) 126.1,73.23 126.1,67.73 125.31,66.95 U11.5 ; U7.6 111.51,77.98 111.24,77.71 v2(111.24,73.23)
  Bottom w0.15: v2(125.59,73.74) 125.47,73.86 112.26,73.86 111.88,73.48 111.5,73.48 v2(111.24,73.23)
Net-(U11-Pad13): length 55.5
  Top w0.15: U8.13 80.87,68.9 81.14,69.17 v2(81.14,70.56) ; v2(128.64,70.31) 128.64,68.52 129.56,67.6 130.3,67.6
  Bottom w0.15: v2(81.14,70.56) 81.65,71.07 113.15,71.07 114.03,71.96 116.7,71.96 117.97,70.69 123.81,70.69 124.19,70.31 v2(128.64,70.31)
Net-(U11-Pad14): length 57.2
  Top w0.15: U8.12 80.73,68.25 81.59,69.11 81.59,71.13 v2(81.27,71.45) ; 130.3,68.25 129.56,68.25 129.15,68.66 v2(129.15,70.82)
  Bottom w0.15: v2(129.15,70.82) 128,70.82 127.88,70.69 124.45,70.69 124.07,71.07 118.1,71.07 116.83,72.34 113.91,72.34 113.02,71.45 v2(81.27,71.45)
Net-(U12-Pad8): length 28.5
  Top w0.15: U3.5 87.56,78.63 v2(86.35,77.42) ; 106.79,77.33 107.8,77.33 108.18,77.72 v2(108.18,78.31)
  Bottom w0.15: v2(86.35,77.42) 87.24,76.53 104.64,76.53 106.41,78.31 v2(108.18,78.31)
Net-(U17-Pad1): length 33.8
  Top w0.15: U17.1 96.49,94.58 96.25,94.82 96.25,95.07 96.51,95.33 98.67,95.33 98.99,95 98.99,83.71 v2(98.79,83.52) ; U2.10 84.72,78.63 v2(85.19,79.1)
  Bottom w0.15: v2(98.79,83.52) 98.29,83.01 92.44,83.01 88.51,79.07 85.22,79.07 v2(85.19,79.1)

## Copper pours and planes (outline as drawn; the poured copper is in the pictures)
+5V on In1.Cu: 160.01,-0.05 -0.01,0.08 -0.01,100.03 160.01,100.03
GND on Top: 160.01,-0.05 -0.01,-0.05 -0.01,100.03 160.01,100.03
GND on Bottom: 160.01,-0.05 -0.01,-0.05 -0.01,100.03 160.01,100.03
GND on In2.Cu: 160.01,-0.05 -0.01,-0.05 -0.01,100.03 160.01,100.03

## Text on the board
F.Silkscreen: 0x00 | 0x30 | ~{ROM} / SEL | ~{0} / SEL | ~{RAM} / SEL | 4 | 8 | EXTERNAL / DSACK / DELAY / (ONLY / ONE ON) | 16 | ENABLE / BUS ERR | DISABLE / CACHE | DISABLE / MMU | ROM / ADDR | +5V | ~{AS} | SIZ0 | SIZ1 | ~{WR} | ~{RD} | ~{DS} | FC0 | FC1 | FC2 | ~{IPL0} | ~{IPL1} | ~{IPL2} | ~{IACK} | ~{AVEC} | OP2 | OP3 | IP4 | IP5 | GND | D1 | D3 | D5 | D7 | D9 | D11 | D13 | D15 | A30 | A28 | A26 | A24 | ~{DS1} | ~{DS3} | D17 | D19 | D21 | D23 | D25 | D27 | D29 | D31 | A23 | A21 | A19 | A17 | A15 | A13 | A11 | A9 | A7 | A5 | A3 | A1 | ~{3SEL} | ~{DSACK0} | ~{BG} | ~{BGACK} | ~{BR} | ~{HALT} | ~{RESET} | ~{BERR} | ~{DSACK1} | ~{4SEL} | ~{5SEL} | ~{6SEL} | ~{IOSEL} | CLK | D0 | D2 | D4 | D6 | D8 | D10 | D12 | D14 | A31 | A29 | A27 | A25 | ~{DS0} | ~{DS2} | D16 | D18 | D20 | D22 | D24 | D26 | D28 | D30 | A22 | A20 | A18 | A16 | A14 | A12 | A10 | A8 | A6 | A4 | A2 | A0 | DTR | RX | TX | CTS | Designed by / transistor fet / 2022 | k30-SBC Rev. 2
